# KiCad board untitled.kicad_pcb (continued)
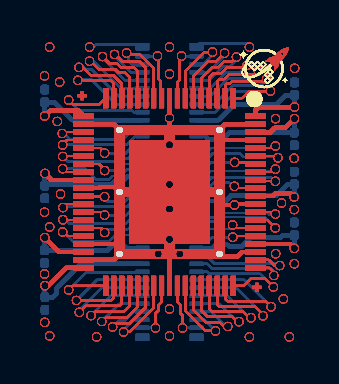
[diagram p0: board, top side]
## Routing (per net, layer and track width the routed paths; a pad name or vN(x,y) marks a point on that pad's centre or on a via; arc(x,y) is an arc through that point) (continued)
/PIN 31: length 256.7
  Top w0.1: 2.51,-0.42 v1(2.33,-0.6) ; 2.51,-0.42 3.96,-0.42 ; 2.51,-0.42 3.96,-0.42 ; 2.51,-0.42 3.96,-0.42 ; 2.51,-0.42 3.96,-0.42 ; 2.51,-0.42 v1(2.33,-0.6) ; 2.51,-0.42 v1(2.33,-0.6) ; 2.51,-0.42 3.96,-0.42 ; 2.51,-0.42 v1(2.33,-0.6) ; 2.51,-0.42 3.96,-0.42 ; 2.51,-0.42 v1(2.33,-0.6) ; 2.51,-0.42 v1(2.33,-0.6) ; 2.51,-0.42 3.96,-0.42 ; 2.51,-0.42 v1(2.33,-0.6) ; 2.51,-0.42 v1(2.33,-0.6) ; 2.51,-0.42 3.96,-0.42 ; 2.51,-0.42 3.96,-0.42 ; 2.51,-0.42 3.96,-0.42 ; 2.51,-0.42 3.96,-0.42 ; 2.51,-0.42 v1(2.33,-0.6) ; 2.51,-0.42 v1(2.33,-0.6) ; 2.51,-0.42 v1(2.33,-0.6) ; 2.51,-0.42 v1(2.33,-0.6) ; 2.51,-0.42 3.96,-0.42 ; 2.51,-0.42 3.96,-0.42 ; 2.51,-0.42 v1(2.33,-0.6) ; 2.51,-0.42 3.96,-0.42 ; 2.51,-0.42 3.96,-0.42 ; 2.51,-0.42 v1(2.33,-0.6) ; 2.51,-0.42 3.96,-0.42 ; 2.51,-0.42 v1(2.33,-0.6) ; 2.51,-0.42 v1(2.33,-0.6) ; 2.51,-0.42 3.96,-0.42 ; 2.51,-0.42 3.96,-0.42 ; 2.51,-0.42 3.96,-0.42 ; 2.51,-0.42 3.96,-0.42 ; 2.51,-0.42 v1(2.33,-0.6) ; 2.51,-0.42 v1(2.33,-0.6) ; 2.51,-0.42 3.96,-0.42 ; 2.51,-0.42 3.96,-0.42 ; 2.51,-0.42 3.96,-0.42 ; 2.51,-0.42 3.96,-0.42 ; 2.51,-0.42 v1(2.33,-0.6) ; 2.51,-0.42 3.96,-0.42 ; 2.51,-0.42 v1(2.33,-0.6) ; 2.51,-0.42 v1(2.33,-0.6) ; 2.51,-0.42 3.96,-0.42 ; 2.51,-0.42 3.96,-0.42 ; 2.51,-0.42 v1(2.33,-0.6) ; 2.51,-0.42 v1(2.33,-0.6) ; 2.51,-0.42 3.96,-0.42 ; 2.51,-0.42 v1(2.33,-0.6) ; 2.51,-0.42 3.96,-0.42 ; 2.51,-0.42 v1(2.33,-0.6) ; 2.51,-0.42 v1(2.33,-0.6) ; 2.51,-0.42 3.96,-0.42 ; 2.51,-0.42 v1(2.33,-0.6) ; 2.51,-0.42 3.96,-0.42 ; 2.51,-0.42 v1(2.33,-0.6) ; 2.51,-0.42 v1(2.33,-0.6) ; 2.51,-0.42 v1(2.33,-0.6) ; 2.51,-0.42 v1(2.33,-0.6) ; 2.51,-0.42 v1(2.33,-0.6) ; 2.51,-0.42 v1(2.33,-0.6) ; 2.51,-0.42 v1(2.33,-0.6) ; 2.51,-0.42 v1(2.33,-0.6) ; 2.51,-0.42 v1(2.33,-0.6) ; 2.51,-0.42 v1(2.33,-0.6) ; 2.51,-0.42 3.96,-0.42 ; 2.51,-0.42 v1(2.33,-0.6) ; 2.51,-0.42 3.96,-0.42 ; 2.51,-0.42 v1(2.33,-0.6) ; 2.51,-0.42 v1(2.33,-0.6) ; 2.51,-0.42 3.96,-0.42 ; 2.51,-0.42 3.96,-0.42 ; 2.51,-0.42 v1(2.33,-0.6) ; 2.51,-0.42 3.96,-0.42 ; 2.51,-0.42 3.96,-0.42 ; 2.51,-0.42 3.96,-0.42 ; 2.51,-0.42 3.96,-0.42 ; 2.51,-0.42 3.96,-0.42 ; 2.51,-0.42 v1(2.33,-0.6) ; 2.51,-0.42 3.96,-0.42 ; 2.51,-0.42 3.96,-0.42 ; 4.26,-0.12 3.96,-0.42 ; 4.26,-0.12 3.96,-0.42 ; 4.26,-0.12 3.96,-0.42 ; 4.26,-0.12 3.96,-0.42 ; 4.26,-0.12 3.96,-0.42 ; 4.26,-0.12 J158.41 ; 4.26,-0.12 3.96,-0.42 ; 4.26,-0.12 J158.41 ; 4.26,-0.12 J158.41 ; 4.26,-0.12 J158.41 ; 4.26,-0.12 3.96,-0.42 ; 4.26,-0.12 J158.41 ; 4.26,-0.12 J158.41 ; 4.26,-0.12 J158.41 ; 4.26,-0.12 3.96,-0.42 ; 4.26,-0.12 J158.41 ; 4.26,-0.12 3.96,-0.42 ; 4.26,-0.12 3.96,-0.42 ; 4.26,-0.12 J158.41 ; 4.26,-0.12 J158.41 ; 4.26,-0.12 3.96,-0.42 ; 4.26,-0.12 J158.41 ; 4.26,-0.12 3.96,-0.42 ; 4.26,-0.12 3.96,-0.42 ; 4.26,-0.12 3.96,-0.42 ; 4.26,-0.12 J158.41 ; 4.26,-0.12 J158.41 ; 4.26,-0.12 3.96,-0.42 ; 4.26,-0.12 3.96,-0.42 ; 4.26,-0.12 3.96,-0.42 ; 4.26,-0.12 J158.41 ; 4.26,-0.12 3.96,-0.42 ; 4.26,-0.12 J158.41 ; 4.26,-0.12 3.96,-0.42 ; 4.26,-0.12 J158.41 ; 4.26,-0.12 J158.41 ; 4.26,-0.12 J158.41 ; 4.26,-0.12 J158.41 ; 4.26,-0.12 3.96,-0.42 ; 4.26,-0.12 J158.41 ; 4.26,-0.12 J158.41 ; 4.26,-0.12 3.96,-0.42 ; 4.26,-0.12 J158.41 ; 4.26,-0.12 J158.41 ; 4.26,-0.12 3.96,-0.42 ; 4.26,-0.12 J158.41 ; 4.26,-0.12 3.96,-0.42 ; 4.26,-0.12 3.96,-0.42 ; 4.26,-0.12 J158.41 ; 4.26,-0.12 J158.41 ; 4.26,-0.12 J158.41 ; 4.26,-0.12 J158.41 ; 4.26,-0.12 3.96,-0.42 ; 4.26,-0.12 3.96,-0.42 ; 4.26,-0.12 J158.41 ; 4.26,-0.12 J158.41 ; 4.26,-0.12 J158.41 ; 4.26,-0.12 3.96,-0.42 ; 4.26,-0.12 J158.41 ; 4.26,-0.12 J158.41 ; 4.26,-0.12 3.96,-0.42 ; 4.26,-0.12 3.96,-0.42 ; 4.26,-0.12 3.96,-0.42 ; 4.26,-0.12 J158.41 ; 4.26,-0.12 J158.41 ; 4.26,-0.12 3.96,-0.42 ; 4.26,-0.12 3.96,-0.42 ; 4.26,-0.12 J158.41 ; 4.26,-0.12 J158.41 ; 4.26,-0.12 3.96,-0.42 ; 4.26,-0.12 3.96,-0.42 ; 4.26,-0.12 3.96,-0.42 ; 4.26,-0.12 3.96,-0.42 ; 4.26,-0.12 3.96,-0.42 ; 4.26,-0.12 3.96,-0.42 ; 4.26,-0.12 3.96,-0.42 ; 4.26,-0.12 J158.41 ; 4.26,-0.12 3.96,-0.42 ; 4.26,-0.12 3.96,-0.42 ; 4.26,-0.12 3.96,-0.42 ; 4.26,-0.12 J158.41 ; 4.26,-0.12 J158.41 ; 4.26,-0.12 J158.41 ; 4.26,-0.12 J158.41
  Bottom w0.1: 3.31,0.38 J173.40 ; 3.31,0.38 v1(2.33,-0.6) ; 3.31,0.38 v1(2.33,-0.6) ; 3.31,0.38 J173.40 ; 3.31,0.38 J173.40 ; 3.31,0.38 J173.40 ; 3.31,0.38 J173.40 ; 3.31,0.38 v1(2.33,-0.6) ; 3.31,0.38 J173.40 ; 3.31,0.38 v1(2.33,-0.6) ; 3.31,0.38 v1(2.33,-0.6) ; 3.31,0.38 J173.40 ; 3.31,0.38 v1(2.33,-0.6) ; 3.31,0.38 v1(2.33,-0.6) ; 3.31,0.38 J173.40 ; 3.31,0.38 v1(2.33,-0.6) ; 3.31,0.38 J173.40 ; 3.31,0.38 v1(2.33,-0.6) ; 3.31,0.38 J173.40 ; 3.31,0.38 v1(2.33,-0.6) ; 3.31,0.38 v1(2.33,-0.6) ; 3.31,0.38 v1(2.33,-0.6) ; 3.31,0.38 J173.40 ; 3.31,0.38 J173.40 ; 3.31,0.38 v1(2.33,-0.6) ; 3.31,0.38 J173.40 ; 3.31,0.38 J173.40 ; 3.31,0.38 v1(2.33,-0.6) ; 3.31,0.38 J173.40 ; 3.31,0.38 J173.40 ; 3.31,0.38 J173.40 ; 3.31,0.38 v1(2.33,-0.6) ; 3.31,0.38 J173.40 ; 3.31,0.38 v1(2.33,-0.6) ; 3.31,0.38 J173.40 ; 3.31,0.38 J173.40 ; 3.31,0.38 J173.40 ; 3.31,0.38 J173.40 ; 3.31,0.38 v1(2.33,-0.6) ; 3.31,0.38 v1(2.33,-0.6) ; 3.31,0.38 J173.40 ; 3.31,0.38 v1(2.33,-0.6) ; 3.31,0.38 v1(2.33,-0.6) ; 3.31,0.38 v1(2.33,-0.6) ; 3.31,0.38 v1(2.33,-0.6) ; 3.31,0.38 J173.40 ; 3.31,0.38 v1(2.33,-0.6) ; 3.31,0.38 J173.40 ; 3.31,0.38 J173.40 ; 3.31,0.38 J173.40 ; 3.31,0.38 J173.40 ; 3.31,0.38 v1(2.33,-0.6) ; 3.31,0.38 v1(2.33,-0.6) ; 3.31,0.38 v1(2.33,-0.6) ; 3.31,0.38 J173.40 ; 3.31,0.38 v1(2.33,-0.6) ; 3.31,0.38 v1(2.33,-0.6) ; 3.31,0.38 v1(2.33,-0.6) ; 3.31,0.38 J173.40 ; 3.31,0.38 v1(2.33,-0.6) ; 3.31,0.38 J173.40 ; 3.31,0.38 v1(2.33,-0.6) ; 3.31,0.38 v1(2.33,-0.6) ; 3.31,0.38 J173.40 ; 3.31,0.38 v1(2.33,-0.6) ; 3.31,0.38 v1(2.33,-0.6) ; 3.31,0.38 J173.40 ; 3.31,0.38 J173.40 ; 3.31,0.38 v1(2.33,-0.6) ; 3.31,0.38 v1(2.33,-0.6) ; 3.31,0.38 J173.40 ; 3.31,0.38 v1(2.33,-0.6) ; 3.31,0.38 J173.40 ; 3.31,0.38 J173.40 ; 3.31,0.38 v1(2.33,-0.6) ; 3.31,0.38 v1(2.33,-0.6) ; 3.31,0.38 J173.40 ; 3.31,0.38 J173.40 ; 3.31,0.38 v1(2.33,-0.6) ; 3.31,0.38 J173.40 ; 3.31,0.38 J173.40 ; 3.31,0.38 v1(2.33,-0.6) ; 3.31,0.38 J173.40 ; 3.31,0.38 v1(2.33,-0.6)
/PIN 32: length 233.1
  Top w0.1: 4.11,-0.72 3.04,-0.72 ; 4.11,-0.72 4.66,-0.17 ; 4.11,-0.72 3.04,-0.72 ; 4.11,-0.72 3.04,-0.72 ; 4.11,-0.72 3.04,-0.72 ; 4.11,-0.72 4.66,-0.17 ; 4.11,-0.72 4.66,-0.17 ; 4.11,-0.72 3.04,-0.72 ; 4.11,-0.72 3.04,-0.72 ; 4.11,-0.72 4.66,-0.17 ; 4.11,-0.72 4.66,-0.17 ; 4.11,-0.72 3.04,-0.72 ; 4.11,-0.72 3.04,-0.72 ; 4.11,-0.72 3.04,-0.72 ; 4.11,-0.72 4.66,-0.17 ; 4.11,-0.72 4.66,-0.17 ; 4.11,-0.72 4.66,-0.17 ; 4.11,-0.72 4.66,-0.17 ; 4.11,-0.72 3.04,-0.72 ; 4.11,-0.72 4.66,-0.17 ; 4.11,-0.72 4.66,-0.17 ; 4.11,-0.72 3.04,-0.72 ; 4.11,-0.72 3.04,-0.72 ; 4.11,-0.72 4.66,-0.17 ; 4.11,-0.72 4.66,-0.17 ; 4.11,-0.72 3.04,-0.72 ; 4.11,-0.72 3.04,-0.72 ; 4.11,-0.72 3.04,-0.72 ; 4.11,-0.72 3.04,-0.72 ; 4.11,-0.72 4.66,-0.17 ; 4.11,-0.72 4.66,-0.17 ; 4.11,-0.72 3.04,-0.72 ; 4.11,-0.72 4.66,-0.17 ; 4.11,-0.72 4.66,-0.17 ; 4.11,-0.72 4.66,-0.17 ; 4.11,-0.72 4.66,-0.17 ; 4.11,-0.72 3.04,-0.72 ; 4.11,-0.72 3.04,-0.72 ; 4.11,-0.72 4.66,-0.17 ; 4.11,-0.72 3.04,-0.72 ; 4.11,-0.72 4.66,-0.17 ; 4.11,-0.72 4.66,-0.17 ; 4.11,-0.72 4.66,-0.17 ; 4.11,-0.72 3.04,-0.72 ; 4.11,-0.72 4.66,-0.17 ; 4.11,-0.72 4.66,-0.17 ; 4.11,-0.72 3.04,-0.72 ; 4.11,-0.72 3.04,-0.72 ; 4.11,-0.72 4.66,-0.17 ; 4.11,-0.72 4.66,-0.17 ; 4.11,-0.72 3.04,-0.72 ; 4.11,-0.72 3.04,-0.72 ; 4.11,-0.72 3.04,-0.72 ; 4.11,-0.72 4.66,-0.17 ; 4.11,-0.72 4.66,-0.17 ; 4.11,-0.72 3.04,-0.72 ; 4.11,-0.72 3.04,-0.72 ; 4.11,-0.72 3.04,-0.72 ; 4.11,-0.72 4.66,-0.17 ; 4.11,-0.72 4.66,-0.17 ; 4.11,-0.72 3.04,-0.72 ; 4.11,-0.72 4.66,-0.17 ; 4.11,-0.72 3.04,-0.72 ; 4.11,-0.72 4.66,-0.17 ; 4.11,-0.72 3.04,-0.72 ; 4.11,-0.72 4.66,-0.17 ; 4.11,-0.72 3.04,-0.72 ; 4.11,-0.72 3.04,-0.72 ; 4.11,-0.72 4.66,-0.17 ; 4.11,-0.72 3.04,-0.72 ; 4.11,-0.72 3.04,-0.72 ; 4.11,-0.72 3.04,-0.72 ; 4.11,-0.72 4.66,-0.17 ; 4.11,-0.72 4.66,-0.17 ; 4.11,-0.72 4.66,-0.17 ; 4.11,-0.72 3.04,-0.72 ; 4.11,-0.72 4.66,-0.17 ; 4.11,-0.72 3.04,-0.72 ; 4.11,-0.72 3.04,-0.72 ; 4.11,-0.72 4.66,-0.17 ; 4.11,-0.72 4.66,-0.17 ; 4.11,-0.72 4.66,-0.17 ; 4.11,-0.72 3.04,-0.72 ; 4.11,-0.72 3.04,-0.72 ; 3.04,-0.72 v1(2.86,-0.9) ; 3.04,-0.72 v1(2.86,-0.9) ; 3.04,-0.72 v1(2.86,-0.9) ; 3.04,-0.72 v1(2.86,-0.9) ; 3.04,-0.72 v1(2.86,-0.9) ; 3.04,-0.72 v1(2.86,-0.9) ; 3.04,-0.72 v1(2.86,-0.9) ; 3.04,-0.72 v1(2.86,-0.9) ; 3.04,-0.72 v1(2.86,-0.9) ; 3.04,-0.72 v1(2.86,-0.9) ; 3.04,-0.72 v1(2.86,-0.9) ; 3.04,-0.72 v1(2.86,-0.9) ; 3.04,-0.72 v1(2.86,-0.9) ; 3.04,-0.72 v1(2.86,-0.9) ; 3.04,-0.72 v1(2.86,-0.9) ; 3.04,-0.72 v1(2.86,-0.9) ; 3.04,-0.72 v1(2.86,-0.9) ; 3.04,-0.72 v1(2.86,-0.9) ; 3.04,-0.72 v1(2.86,-0.9) ; 3.04,-0.72 v1(2.86,-0.9) ; 3.04,-0.72 v1(2.86,-0.9) ; 3.04,-0.72 v1(2.86,-0.9) ; 3.04,-0.72 v1(2.86,-0.9) ; 3.04,-0.72 v1(2.86,-0.9) ; 3.04,-0.72 v1(2.86,-0.9) ; 3.04,-0.72 v1(2.86,-0.9) ; 3.04,-0.72 v1(2.86,-0.9) ; 3.04,-0.72 v1(2.86,-0.9) ; 3.04,-0.72 v1(2.86,-0.9) ; 3.04,-0.72 v1(2.86,-0.9) ; 3.04,-0.72 v1(2.86,-0.9) ; 3.04,-0.72 v1(2.86,-0.9) ; 3.04,-0.72 v1(2.86,-0.9) ; 3.04,-0.72 v1(2.86,-0.9) ; 3.04,-0.72 v1(2.86,-0.9) ; 3.04,-0.72 v1(2.86,-0.9) ; 3.04,-0.72 v1(2.86,-0.9) ; 3.04,-0.72 v1(2.86,-0.9) ; 3.04,-0.72 v1(2.86,-0.9) ; 3.04,-0.72 v1(2.86,-0.9) ; 3.04,-0.72 v1(2.86,-0.9) ; 3.04,-0.72 v1(2.86,-0.9) ; 4.66,-0.17 J158.42 ; 4.66,-0.17 J158.42 ; 4.66,-0.17 J158.42 ; 4.66,-0.17 J158.42 ; 4.66,-0.17 J158.42 ; 4.66,-0.17 J158.42 ; 4.66,-0.17 J158.42 ; 4.66,-0.17 J158.42 ; 4.66,-0.17 J158.42 ; 4.66,-0.17 J158.42 ; 4.66,-0.17 J158.42 ; 4.66,-0.17 J158.42 ; 4.66,-0.17 J158.42 ; 4.66,-0.17 J158.42 ; 4.66,-0.17 J158.42 ; 4.66,-0.17 J158.42 ; 4.66,-0.17 J158.42 ; 4.66,-0.17 J158.42 ; 4.66,-0.17 J158.42 ; 4.66,-0.17 J158.42 ; 4.66,-0.17 J158.42 ; 4.66,-0.17 J158.42 ; 4.66,-0.17 J158.42 ; 4.66,-0.17 J158.42 ; 4.66,-0.17 J158.42 ; 4.66,-0.17 J158.42 ; 4.66,-0.17 J158.42 ; 4.66,-0.17 J158.42 ; 4.66,-0.17 J158.42 ; 4.66,-0.17 J158.42 ; 4.66,-0.17 J158.42 ; 4.66,-0.17 J158.42 ; 4.66,-0.17 J158.42 ; 4.66,-0.17 J158.42 ; 4.66,-0.17 J158.42 ; 4.66,-0.17 J158.42 ; 4.66,-0.17 J158.42 ; 4.66,-0.17 J158.42 ; 4.66,-0.17 J158.42 ; 4.66,-0.17 J158.42 ; 4.66,-0.17 J158.42 ; 4.66,-0.17 J158.42
  Bottom w0.1: v1(2.86,-0.9) 3.74,-0.02 ; v1(2.86,-0.9) 3.74,-0.02 ; v1(2.86,-0.9) 3.74,-0.02 ; v1(2.86,-0.9) 3.74,-0.02 ; v1(2.86,-0.9) 3.74,-0.02 ; v1(2.86,-0.9) 3.74,-0.02 ; v1(2.86,-0.9) 3.74,-0.02 ; v1(2.86,-0.9) 3.74,-0.02 ; v1(2.86,-0.9) 3.74,-0.02 ; v1(2.86,-0.9) 3.74,-0.02 ; v1(2.86,-0.9) 3.74,-0.02 ; v1(2.86,-0.9) 3.74,-0.02 ; v1(2.86,-0.9) 3.74,-0.02 ; v1(2.86,-0.9) 3.74,-0.02 ; v1(2.86,-0.9) 3.74,-0.02 ; v1(2.86,-0.9) 3.74,-0.02 ; v1(2.86,-0.9) 3.74,-0.02 ; v1(2.86,-0.9) 3.74,-0.02 ; v1(2.86,-0.9) 3.74,-0.02 ; v1(2.86,-0.9) 3.74,-0.02 ; v1(2.86,-0.9) 3.74,-0.02 ; v1(2.86,-0.9) 3.74,-0.02 ; v1(2.86,-0.9) 3.74,-0.02 ; v1(2.86,-0.9) 3.74,-0.02 ; v1(2.86,-0.9) 3.74,-0.02 ; v1(2.86,-0.9) 3.74,-0.02 ; v1(2.86,-0.9) 3.74,-0.02 ; v1(2.86,-0.9) 3.74,-0.02 ; v1(2.86,-0.9) 3.74,-0.02 ; v1(2.86,-0.9) 3.74,-0.02 ; v1(2.86,-0.9) 3.74,-0.02 ; v1(2.86,-0.9) 3.74,-0.02 ; v1(2.86,-0.9) 3.74,-0.02 ; v1(2.86,-0.9) 3.74,-0.02 ; v1(2.86,-0.9) 3.74,-0.02 ; v1(2.86,-0.9) 3.74,-0.02 ; v1(2.86,-0.9) 3.74,-0.02 ; v1(2.86,-0.9) 3.74,-0.02 ; v1(2.86,-0.9) 3.74,-0.02 ; v1(2.86,-0.9) 3.74,-0.02 ; v1(2.86,-0.9) 3.74,-0.02 ; v1(2.86,-0.9) 3.74,-0.02 ; 3.74,-0.02 J173.39 ; 3.74,-0.02 J173.39 ; 3.74,-0.02 J173.39 ; 3.74,-0.02 J173.39 ; 3.74,-0.02 J173.39 ; 3.74,-0.02 J173.39 ; 3.74,-0.02 J173.39 ; 3.74,-0.02 J173.39 ; 3.74,-0.02 J173.39 ; 3.74,-0.02 J173.39 ; 3.74,-0.02 J173.39 ; 3.74,-0.02 J173.39 ; 3.74,-0.02 J173.39 ; 3.74,-0.02 J173.39 ; 3.74,-0.02 J173.39 ; 3.74,-0.02 J173.39 ; 3.74,-0.02 J173.39 ; 3.74,-0.02 J173.39 ; 3.74,-0.02 J173.39 ; 3.74,-0.02 J173.39 ; 3.74,-0.02 J173.39 ; 3.74,-0.02 J173.39 ; 3.74,-0.02 J173.39 ; 3.74,-0.02 J173.39 ; 3.74,-0.02 J173.39 ; 3.74,-0.02 J173.39 ; 3.74,-0.02 J173.39 ; 3.74,-0.02 J173.39 ; 3.74,-0.02 J173.39 ; 3.74,-0.02 J173.39 ; 3.74,-0.02 J173.39 ; 3.74,-0.02 J173.39 ; 3.74,-0.02 J173.39 ; 3.74,-0.02 J173.39 ; 3.74,-0.02 J173.39 ; 3.74,-0.02 J173.39 ; 3.74,-0.02 J173.39 ; 3.74,-0.02 J173.39 ; 3.74,-0.02 J173.39 ; 3.74,-0.02 J173.39 ; 3.74,-0.02 J173.39 ; 3.74,-0.02 J173.39
/PIN 33: length 207.3
  Top w0.1: J158.43 5.06,-0.2 ; J158.43 5.06,-0.2 ; J158.43 5.06,-0.2 ; J158.43 5.06,-0.2 ; J158.43 5.06,-0.2 ; J158.43 5.06,-0.2 ; J158.43 5.06,-0.2 ; J158.43 5.06,-0.2 ; J158.43 5.06,-0.2 ; J158.43 5.06,-0.2 ; J158.43 5.06,-0.2 ; J158.43 5.06,-0.2 ; J158.43 5.06,-0.2 ; J158.43 5.06,-0.2 ; J158.43 5.06,-0.2 ; J158.43 5.06,-0.2 ; J158.43 5.06,-0.2 ; J158.43 5.06,-0.2 ; J158.43 5.06,-0.2 ; J158.43 5.06,-0.2 ; J158.43 5.06,-0.2 ; J158.43 5.06,-0.2 ; J158.43 5.06,-0.2 ; J158.43 5.06,-0.2 ; J158.43 5.06,-0.2 ; J158.43 5.06,-0.2 ; J158.43 5.06,-0.2 ; J158.43 5.06,-0.2 ; J158.43 5.06,-0.2 ; J158.43 5.06,-0.2 ; J158.43 5.06,-0.2 ; J158.43 5.06,-0.2 ; J158.43 5.06,-0.2 ; J158.43 5.06,-0.2 ; J158.43 5.06,-0.2 ; J158.43 5.06,-0.2 ; J158.43 5.06,-0.2 ; J158.43 5.06,-0.2 ; J158.43 5.06,-0.2 ; J158.43 5.06,-0.2 ; J158.43 5.06,-0.2 ; J158.43 5.06,-0.2 ; 5.06,-0.2 4.27,-0.98 ; 5.06,-0.2 4.27,-0.98 ; 5.06,-0.2 4.27,-0.98 ; 5.06,-0.2 4.27,-0.98 ; 5.06,-0.2 4.27,-0.98 ; 5.06,-0.2 4.27,-0.98 ; 5.06,-0.2 4.27,-0.98 ; 5.06,-0.2 4.27,-0.98 ; 5.06,-0.2 4.27,-0.98 ; 5.06,-0.2 4.27,-0.98 ; 5.06,-0.2 4.27,-0.98 ; 5.06,-0.2 4.27,-0.98 ; 5.06,-0.2 4.27,-0.98 ; 5.06,-0.2 4.27,-0.98 ; 5.06,-0.2 4.27,-0.98 ; 5.06,-0.2 4.27,-0.98 ; 5.06,-0.2 4.27,-0.98 ; 5.06,-0.2 4.27,-0.98 ; 5.06,-0.2 4.27,-0.98 ; 5.06,-0.2 4.27,-0.98 ; 5.06,-0.2 4.27,-0.98 ; 5.06,-0.2 4.27,-0.98 ; 5.06,-0.2 4.27,-0.98 ; 5.06,-0.2 4.27,-0.98 ; 5.06,-0.2 4.27,-0.98 ; 5.06,-0.2 4.27,-0.98 ; 5.06,-0.2 4.27,-0.98 ; 5.06,-0.2 4.27,-0.98 ; 5.06,-0.2 4.27,-0.98 ; 5.06,-0.2 4.27,-0.98 ; 5.06,-0.2 4.27,-0.98 ; 5.06,-0.2 4.27,-0.98 ; 5.06,-0.2 4.27,-0.98 ; 5.06,-0.2 4.27,-0.98 ; 5.06,-0.2 4.27,-0.98 ; 5.06,-0.2 4.27,-0.98 ; 5.06,-0.2 4.27,-0.98 ; 5.06,-0.2 4.27,-0.98 ; 5.06,-0.2 4.27,-0.98 ; 5.06,-0.2 4.27,-0.98 ; 5.06,-0.2 4.27,-0.98 ; 5.06,-0.2 4.27,-0.98 ; 4.27,-0.98 3.6,-0.98 ; 4.27,-0.98 3.6,-0.98 ; 4.27,-0.98 3.6,-0.98 ; 4.27,-0.98 3.6,-0.98 ; 4.27,-0.98 3.6,-0.98 ; 4.27,-0.98 3.6,-0.98 ; 4.27,-0.98 3.6,-0.98 ; 4.27,-0.98 3.6,-0.98 ; 4.27,-0.98 3.6,-0.98 ; 4.27,-0.98 3.6,-0.98 ; 4.27,-0.98 3.6,-0.98 ; 4.27,-0.98 3.6,-0.98 ; 4.27,-0.98 3.6,-0.98 ; 4.27,-0.98 3.6,-0.98 ; 4.27,-0.98 3.6,-0.98 ; 4.27,-0.98 3.6,-0.98 ; 4.27,-0.98 3.6,-0.98 ; 4.27,-0.98 3.6,-0.98 ; 4.27,-0.98 3.6,-0.98 ; 4.27,-0.98 3.6,-0.98 ; 4.27,-0.98 3.6,-0.98 ; 4.27,-0.98 3.6,-0.98 ; 4.27,-0.98 3.6,-0.98 ; 4.27,-0.98 3.6,-0.98 ; 4.27,-0.98 3.6,-0.98 ; 4.27,-0.98 3.6,-0.98 ; 4.27,-0.98 3.6,-0.98 ; 4.27,-0.98 3.6,-0.98 ; 4.27,-0.98 3.6,-0.98 ; 4.27,-0.98 3.6,-0.98 ; 4.27,-0.98 3.6,-0.98 ; 4.27,-0.98 3.6,-0.98 ; 4.27,-0.98 3.6,-0.98 ; 4.27,-0.98 3.6,-0.98 ; 4.27,-0.98 3.6,-0.98 ; 4.27,-0.98 3.6,-0.98 ; 4.27,-0.98 3.6,-0.98 ; 4.27,-0.98 3.6,-0.98 ; 4.27,-0.98 3.6,-0.98 ; 4.27,-0.98 3.6,-0.98 ; 4.27,-0.98 3.6,-0.98 ; 4.27,-0.98 3.6,-0.98 ; 3.6,-0.98 v1(3.41,-1.17) ; 3.6,-0.98 v1(3.41,-1.17) ; 3.6,-0.98 v1(3.41,-1.17) ; 3.6,-0.98 v1(3.41,-1.17) ; 3.6,-0.98 v1(3.41,-1.17) ; 3.6,-0.98 v1(3.41,-1.17) ; 3.6,-0.98 v1(3.41,-1.17) ; 3.6,-0.98 v1(3.41,-1.17) ; 3.6,-0.98 v1(3.41,-1.17) ; 3.6,-0.98 v1(3.41,-1.17) ; 3.6,-0.98 v1(3.41,-1.17) ; 3.6,-0.98 v1(3.41,-1.17) ; 3.6,-0.98 v1(3.41,-1.17) ; 3.6,-0.98 v1(3.41,-1.17) ; 3.6,-0.98 v1(3.41,-1.17) ; 3.6,-0.98 v1(3.41,-1.17) ; 3.6,-0.98 v1(3.41,-1.17) ; 3.6,-0.98 v1(3.41,-1.17) ; 3.6,-0.98 v1(3.41,-1.17) ; 3.6,-0.98 v1(3.41,-1.17) ; 3.6,-0.98 v1(3.41,-1.17) ; 3.6,-0.98 v1(3.41,-1.17) ; 3.6,-0.98 v1(3.41,-1.17) ; 3.6,-0.98 v1(3.41,-1.17) ; 3.6,-0.98 v1(3.41,-1.17) ; 3.6,-0.98 v1(3.41,-1.17) ; 3.6,-0.98 v1(3.41,-1.17) ; 3.6,-0.98 v1(3.41,-1.17) ; 3.6,-0.98 v1(3.41,-1.17) ; 3.6,-0.98 v1(3.41,-1.17) ; 3.6,-0.98 v1(3.41,-1.17) ; 3.6,-0.98 v1(3.41,-1.17) ; 3.6,-0.98 v1(3.41,-1.17) ; 3.6,-0.98 v1(3.41,-1.17) ; 3.6,-0.98 v1(3.41,-1.17) ; 3.6,-0.98 v1(3.41,-1.17) ; 3.6,-0.98 v1(3.41,-1.17) ; 3.6,-0.98 v1(3.41,-1.17) ; 3.6,-0.98 v1(3.41,-1.17) ; 3.6,-0.98 v1(3.41,-1.17) ; 3.6,-0.98 v1(3.41,-1.17) ; 3.6,-0.98 v1(3.41,-1.17)
  Bottom w0.1: v1(3.41,-1.17) 3.71,-0.87 ; v1(3.41,-1.17) 3.71,-0.87 ; v1(3.41,-1.17) 3.71,-0.87 ; v1(3.41,-1.17) 3.71,-0.87 ; v1(3.41,-1.17) 3.71,-0.87 ; v1(3.41,-1.17) 3.71,-0.87 ; v1(3.41,-1.17) 3.71,-0.87 ; v1(3.41,-1.17) 3.71,-0.87 ; v1(3.41,-1.17) 3.71,-0.87 ; v1(3.41,-1.17) 3.71,-0.87 ; v1(3.41,-1.17) 3.71,-0.87 ; v1(3.41,-1.17) 3.71,-0.87 ; v1(3.41,-1.17) 3.71,-0.87 ; v1(3.41,-1.17) 3.71,-0.87 ; v1(3.41,-1.17) 3.71,-0.87 ; v1(3.41,-1.17) 3.71,-0.87 ; v1(3.41,-1.17) 3.71,-0.87 ; v1(3.41,-1.17) 3.71,-0.87 ; v1(3.41,-1.17) 3.71,-0.87 ; v1(3.41,-1.17) 3.71,-0.87 ; v1(3.41,-1.17) 3.71,-0.87 ; v1(3.41,-1.17) 3.71,-0.87 ; v1(3.41,-1.17) 3.71,-0.87 ; v1(3.41,-1.17) 3.71,-0.87 ; v1(3.41,-1.17) 3.71,-0.87 ; v1(3.41,-1.17) 3.71,-0.87 ; v1(3.41,-1.17) 3.71,-0.87 ; v1(3.41,-1.17) 3.71,-0.87 ; v1(3.41,-1.17) 3.71,-0.87 ; v1(3.41,-1.17) 3.71,-0.87 ; v1(3.41,-1.17) 3.71,-0.87 ; v1(3.41,-1.17) 3.71,-0.87 ; v1(3.41,-1.17) 3.71,-0.87 ; v1(3.41,-1.17) 3.71,-0.87 ; v1(3.41,-1.17) 3.71,-0.87 ; v1(3.41,-1.17) 3.71,-0.87 ; v1(3.41,-1.17) 3.71,-0.87 ; v1(3.41,-1.17) 3.71,-0.87 ; v1(3.41,-1.17) 3.71,-0.87 ; v1(3.41,-1.17) 3.71,-0.87 ; v1(3.41,-1.17) 3.71,-0.87 ; v1(3.41,-1.17) 3.71,-0.87 ; 3.71,-0.87 4.01,-0.87 ; 3.71,-0.87 4.01,-0.87 ; 3.71,-0.87 4.01,-0.87 ; 3.71,-0.87 4.01,-0.87 ; 3.71,-0.87 4.01,-0.87 ; 3.71,-0.87 4.01,-0.87 ; 3.71,-0.87 4.01,-0.87 ; 3.71,-0.87 4.01,-0.87 ; 3.71,-0.87 4.01,-0.87 ; 3.71,-0.87 4.01,-0.87 ; 3.71,-0.87 4.01,-0.87 ; 3.71,-0.87 4.01,-0.87 ; 3.71,-0.87 4.01,-0.87 ; 3.71,-0.87 4.01,-0.87 ; 3.71,-0.87 4.01,-0.87 ; 3.71,-0.87 4.01,-0.87 ; 3.71,-0.87 4.01,-0.87 ; 3.71,-0.87 4.01,-0.87 ; 3.71,-0.87 4.01,-0.87 ; 3.71,-0.87 4.01,-0.87 ; 3.71,-0.87 4.01,-0.87 ; 3.71,-0.87 4.01,-0.87 ; 3.71,-0.87 4.01,-0.87 ; 3.71,-0.87 4.01,-0.87 ; 3.71,-0.87 4.01,-0.87 ; 3.71,-0.87 4.01,-0.87 ; 3.71,-0.87 4.01,-0.87 ; 3.71,-0.87 4.01,-0.87 ; 3.71,-0.87 4.01,-0.87 ; 3.71,-0.87 4.01,-0.87 ; 3.71,-0.87 4.01,-0.87 ; 3.71,-0.87 4.01,-0.87 ; 3.71,-0.87 4.01,-0.87 ; 3.71,-0.87 4.01,-0.87 ; 3.71,-0.87 4.01,-0.87 ; 3.71,-0.87 4.01,-0.87 ; 3.71,-0.87 4.01,-0.87 ; 3.71,-0.87 4.01,-0.87 ; 3.71,-0.87 4.01,-0.87 ; 3.71,-0.87 4.01,-0.87 ; 3.71,-0.87 4.01,-0.87 ; 3.71,-0.87 4.01,-0.87 ; 4.46,-0.42 J173.38 ; 4.46,-0.42 J173.38 ; 4.46,-0.42 J173.38 ; 4.46,-0.42 J173.38 ; 4.46,-0.42 4.01,-0.87 ; 4.46,-0.42 4.01,-0.87 ; 4.46,-0.42 4.01,-0.87 ; 4.46,-0.42 4.01,-0.87 ; 4.46,-0.42 4.01,-0.87 ; 4.46,-0.42 4.01,-0.87 ; 4.46,-0.42 4.01,-0.87 ; 4.46,-0.42 J173.38 ; 4.46,-0.42 4.01,-0.87 ; 4.46,-0.42 4.01,-0.87 ; 4.46,-0.42 J173.38 ; 4.46,-0.42 J173.38 ; 4.46,-0.42 4.01,-0.87 ; 4.46,-0.42 J173.38 ; 4.46,-0.42 4.01,-0.87 ; 4.46,-0.42 4.01,-0.87 ; 4.46,-0.42 4.01,-0.87 ; 4.46,-0.42 J173.38 ; 4.46,-0.42 4.01,-0.87 ; 4.46,-0.42 J173.38 ; 4.46,-0.42 4.01,-0.87 ; 4.46,-0.42 J173.38 ; 4.46,-0.42 J173.38 ; 4.46,-0.42 4.01,-0.87 ; 4.46,-0.42 4.01,-0.87 ; 4.46,-0.42 J173.38 ; 4.46,-0.42 4.01,-0.87 ; 4.46,-0.42 J173.38 ; 4.46,-0.42 4.01,-0.87 ; 4.46,-0.42 J173.38 ; 4.46,-0.42 J173.38 ; 4.46,-0.42 4.01,-0.87 ; 4.46,-0.42 4.01,-0.87 ; 4.46,-0.42 J173.38 ; 4.46,-0.42 J173.38 ; 4.46,-0.42 J173.38 ; 4.46,-0.42 J173.38 ; 4.46,-0.42 J173.38 ; 4.46,-0.42 J173.38 ; 4.46,-0.42 4.01,-0.87 ; 4.46,-0.42 J173.38 ; 4.46,-0.42 4.01,-0.87 ; 4.46,-0.42 J173.38 ; 4.46,-0.42 J173.38 ; 4.46,-0.42 J173.38 ; 4.46,-0.42 4.01,-0.87 ; 4.46,-0.42 J173.38 ; 4.46,-0.42 J173.38 ; 4.46,-0.42 4.01,-0.87 ; 4.46,-0.42 J173.38 ; 4.46,-0.42 4.01,-0.87 ; 4.46,-0.42 4.01,-0.87 ; 4.46,-0.42 4.01,-0.87 ; 4.46,-0.42 4.01,-0.87 ; 4.46,-0.42 4.01,-0.87 ; 4.46,-0.42 J173.38 ; 4.46,-0.42 J173.38 ; 4.46,-0.42 4.01,-0.87 ; 4.46,-0.42 J173.38 ; 4.46,-0.42 4.01,-0.87 ; 4.46,-0.42 4.01,-0.87 ; 4.46,-0.42 J173.38 ; 4.46,-0.42 4.01,-0.87 ; 4.46,-0.42 J173.38 ; 4.46,-0.42 J173.38 ; 4.46,-0.42 J173.38 ; 4.46,-0.42 J173.38 ; 4.46,-0.42 4.01,-0.87 ; 4.46,-0.42 J173.38 ; 4.46,-0.42 4.01,-0.87 ; 4.46,-0.42 J173.38 ; 4.46,-0.42 J173.38 ; 4.46,-0.42 4.01,-0.87 ; 4.46,-0.42 J173.38 ; 4.46,-0.42 4.01,-0.87 ; 4.46,-0.42 4.01,-0.87 ; 4.46,-0.42 4.01,-0.87 ; 4.46,-0.42 4.01,-0.87 ; 4.46,-0.42 4.01,-0.87 ; 4.46,-0.42 J173.38
/PIN 34: length 182.7
  Top w0.1: 3.97,-1.42 4.26,-1.42 ; 3.97,-1.42 4.26,-1.42 ; 3.97,-1.42 v1(3.96,-1.42) ; 3.97,-1.42 v1(3.96,-1.42) ; 3.97,-1.42 v1(3.96,-1.42) ; 3.97,-1.42 v1(3.96,-1.42) ; 3.97,-1.42 4.26,-1.42 ; 3.97,-1.42 4.26,-1.42 ; 3.97,-1.42 4.26,-1.42 ; 3.97,-1.42 4.26,-1.42 ; 3.97,-1.42 v1(3.96,-1.42) ; 3.97,-1.42 v1(3.96,-1.42) ; 3.97,-1.42 v1(3.96,-1.42) ; 3.97,-1.42 v1(3.96,-1.42) ; 3.97,-1.42 v1(3.96,-1.42) ; 3.97,-1.42 v1(3.96,-1.42) ; 3.97,-1.42 v1(3.96,-1.42) ; 3.97,-1.42 4.26,-1.42 ; 3.97,-1.42 4.26,-1.42 ; 3.97,-1.42 v1(3.96,-1.42) ; 3.97,-1.42 4.26,-1.42 ; 3.97,-1.42 4.26,-1.42 ; 3.97,-1.42 v1(3.96,-1.42) ; 3.97,-1.42 v1(3.96,-1.42) ; 3.97,-1.42 4.26,-1.42 ; 3.97,-1.42 4.26,-1.42 ; 3.97,-1.42 4.26,-1.42 ; 3.97,-1.42 4.26,-1.42 ; 3.97,-1.42 v1(3.96,-1.42) ; 3.97,-1.42 v1(3.96,-1.42) ; 3.97,-1.42 4.26,-1.42 ; 3.97,-1.42 4.26,-1.42 ; 3.97,-1.42 v1(3.96,-1.42) ; 3.97,-1.42 v1(3.96,-1.42) ; 3.97,-1.42 4.26,-1.42 ; 3.97,-1.42 v1(3.96,-1.42) ; 3.97,-1.42 4.26,-1.42 ; 3.97,-1.42 4.26,-1.42 ; 3.97,-1.42 4.26,-1.42 ; 3.97,-1.42 4.26,-1.42 ; 3.97,-1.42 v1(3.96,-1.42) ; 3.97,-1.42 v1(3.96,-1.42) ; 3.97,-1.42 4.26,-1.42 ; 3.97,-1.42 4.26,-1.42 ; 3.97,-1.42 v1(3.96,-1.42) ; 3.97,-1.42 v1(3.96,-1.42) ; 3.97,-1.42 v1(3.96,-1.42) ; 3.97,-1.42 4.26,-1.42 ; 3.97,-1.42 4.26,-1.42 ; 3.97,-1.42 v1(3.96,-1.42) ; 3.97,-1.42 v1(3.96,-1.42) ; 3.97,-1.42 v1(3.96,-1.42) ; 3.97,-1.42 4.26,-1.42 ; 3.97,-1.42 4.26,-1.42 ; 3.97,-1.42 v1(3.96,-1.42) ; 3.97,-1.42 4.26,-1.42 ; 3.97,-1.42 v1(3.96,-1.42) ; 3.97,-1.42 v1(3.96,-1.42) ; 3.97,-1.42 v1(3.96,-1.42) ; 3.97,-1.42 4.26,-1.42 ; 3.97,-1.42 v1(3.96,-1.42) ; 3.97,-1.42 4.26,-1.42 ; 3.97,-1.42 4.26,-1.42 ; 3.97,-1.42 v1(3.96,-1.42) ; 3.97,-1.42 4.26,-1.42 ; 3.97,-1.42 v1(3.96,-1.42) ; 3.97,-1.42 4.26,-1.42 ; 3.97,-1.42 4.26,-1.42 ; 3.97,-1.42 4.26,-1.42 ; 3.97,-1.42 4.26,-1.42 ; 3.97,-1.42 v1(3.96,-1.42) ; 3.97,-1.42 4.26,-1.42 ; 3.97,-1.42 4.26,-1.42 ; 3.97,-1.42 4.26,-1.42 ; 3.97,-1.42 v1(3.96,-1.42) ; 3.97,-1.42 v1(3.96,-1.42) ; 3.97,-1.42 v1(3.96,-1.42) ; 3.97,-1.42 v1(3.96,-1.42) ; 3.97,-1.42 v1(3.96,-1.42) ; 3.97,-1.42 4.26,-1.42 ; 3.97,-1.42 v1(3.96,-1.42) ; 3.97,-1.42 4.26,-1.42 ; 3.97,-1.42 v1(3.96,-1.42) ; 3.97,-1.42 4.26,-1.42 ; 4.26,-1.42 5.46,-0.22 ; 4.26,-1.42 5.46,-0.22 ; 4.26,-1.42 5.46,-0.22 ; 4.26,-1.42 5.46,-0.22 ; 4.26,-1.42 5.46,-0.22 ; 4.26,-1.42 5.46,-0.22 ; 4.26,-1.42 5.46,-0.22 ; 4.26,-1.42 5.46,-0.22 ; 4.26,-1.42 5.46,-0.22 ; 4.26,-1.42 5.46,-0.22 ; 4.26,-1.42 5.46,-0.22 ; 4.26,-1.42 5.46,-0.22 ; 4.26,-1.42 5.46,-0.22 ; 4.26,-1.42 5.46,-0.22 ; 4.26,-1.42 5.46,-0.22 ; 4.26,-1.42 5.46,-0.22 ; 4.26,-1.42 5.46,-0.22 ; 4.26,-1.42 5.46,-0.22 ; 4.26,-1.42 5.46,-0.22 ; 4.26,-1.42 5.46,-0.22 ; 4.26,-1.42 5.46,-0.22 ; 4.26,-1.42 5.46,-0.22 ; 4.26,-1.42 5.46,-0.22 ; 4.26,-1.42 5.46,-0.22 ; 4.26,-1.42 5.46,-0.22 ; 4.26,-1.42 5.46,-0.22 ; 4.26,-1.42 5.46,-0.22 ; 4.26,-1.42 5.46,-0.22 ; 4.26,-1.42 5.46,-0.22 ; 4.26,-1.42 5.46,-0.22 ; 4.26,-1.42 5.46,-0.22 ; 4.26,-1.42 5.46,-0.22 ; 4.26,-1.42 5.46,-0.22 ; 4.26,-1.42 5.46,-0.22 ; 4.26,-1.42 5.46,-0.22 ; 4.26,-1.42 5.46,-0.22 ; 4.26,-1.42 5.46,-0.22 ; 4.26,-1.42 5.46,-0.22 ; 4.26,-1.42 5.46,-0.22 ; 4.26,-1.42 5.46,-0.22 ; 4.26,-1.42 5.46,-0.22 ; 4.26,-1.42 5.46,-0.22 ; 5.46,-0.22 J158.44 ; 5.46,-0.22 J158.44 ; 5.46,-0.22 J158.44 ; 5.46,-0.22 J158.44 ; 5.46,-0.22 J158.44 ; 5.46,-0.22 J158.44 ; 5.46,-0.22 J158.44 ; 5.46,-0.22 J158.44 ; 5.46,-0.22 J158.44 ; 5.46,-0.22 J158.44 ; 5.46,-0.22 J158.44 ; 5.46,-0.22 J158.44 ; 5.46,-0.22 J158.44 ; 5.46,-0.22 J158.44 ; 5.46,-0.22 J158.44 ; 5.46,-0.22 J158.44 ; 5.46,-0.22 J158.44 ; 5.46,-0.22 J158.44 ; 5.46,-0.22 J158.44 ; 5.46,-0.22 J158.44 ; 5.46,-0.22 J158.44 ; 5.46,-0.22 J158.44 ; 5.46,-0.22 J158.44 ; 5.46,-0.22 J158.44 ; 5.46,-0.22 J158.44 ; 5.46,-0.22 J158.44 ; 5.46,-0.22 J158.44 ; 5.46,-0.22 J158.44 ; 5.46,-0.22 J158.44 ; 5.46,-0.22 J158.44 ; 5.46,-0.22 J158.44 ; 5.46,-0.22 J158.44 ; 5.46,-0.22 J158.44 ; 5.46,-0.22 J158.44 ; 5.46,-0.22 J158.44 ; 5.46,-0.22 J158.44 ; 5.46,-0.22 J158.44 ; 5.46,-0.22 J158.44 ; 5.46,-0.22 J158.44 ; 5.46,-0.22 J158.44 ; 5.46,-0.22 J158.44 ; 5.46,-0.22 J158.44
  Bottom w0.1: v1(3.96,-1.42) 4.06,-1.33 ; v1(3.96,-1.42) 4.06,-1.33 ; v1(3.96,-1.42) 4.06,-1.33 ; v1(3.96,-1.42) 4.06,-1.33 ; v1(3.96,-1.42) 4.06,-1.33 ; v1(3.96,-1.42) 4.06,-1.33 ; v1(3.96,-1.42) 4.06,-1.33 ; v1(3.96,-1.42) 4.06,-1.33 ; v1(3.96,-1.42) 4.06,-1.33 ; v1(3.96,-1.42) 4.06,-1.33 ; v1(3.96,-1.42) 4.06,-1.33 ; v1(3.96,-1.42) 4.06,-1.33 ; v1(3.96,-1.42) 4.06,-1.33 ; v1(3.96,-1.42) 4.06,-1.33 ; v1(3.96,-1.42) 4.06,-1.33 ; v1(3.96,-1.42) 4.06,-1.33 ; v1(3.96,-1.42) 4.06,-1.33 ; v1(3.96,-1.42) 4.06,-1.33 ; v1(3.96,-1.42) 4.06,-1.33 ; v1(3.96,-1.42) 4.06,-1.33 ; v1(3.96,-1.42) 4.06,-1.33 ; v1(3.96,-1.42) 4.06,-1.33 ; v1(3.96,-1.42) 4.06,-1.33 ; v1(3.96,-1.42) 4.06,-1.33 ; v1(3.96,-1.42) 4.06,-1.33 ; v1(3.96,-1.42) 4.06,-1.33 ; v1(3.96,-1.42) 4.06,-1.33 ; v1(3.96,-1.42) 4.06,-1.33 ; v1(3.96,-1.42) 4.06,-1.33 ; v1(3.96,-1.42) 4.06,-1.33 ; v1(3.96,-1.42) 4.06,-1.33 ; v1(3.96,-1.42) 4.06,-1.33 ; v1(3.96,-1.42) 4.06,-1.33 ; v1(3.96,-1.42) 4.06,-1.33 ; v1(3.96,-1.42) 4.06,-1.33 ; v1(3.96,-1.42) 4.06,-1.33 ; v1(3.96,-1.42) 4.06,-1.33 ; v1(3.96,-1.42) 4.06,-1.33 ; v1(3.96,-1.42) 4.06,-1.33 ; v1(3.96,-1.42) 4.06,-1.33 ; v1(3.96,-1.42) 4.06,-1.33 ; v1(3.96,-1.42) 4.06,-1.33 ; 4.06,-1.33 4.06,-1.22 ; 4.06,-1.33 4.06,-1.22 ; 4.06,-1.33 4.06,-1.22 ; 4.06,-1.33 4.06,-1.22 ; 4.06,-1.33 4.06,-1.22 ; 4.06,-1.33 4.06,-1.22 ; 4.06,-1.33 4.06,-1.22 ; 4.06,-1.33 4.06,-1.22 ; 4.06,-1.33 4.06,-1.22 ; 4.06,-1.33 4.06,-1.22 ; 4.06,-1.33 4.06,-1.22 ; 4.06,-1.33 4.06,-1.22 ; 4.06,-1.33 4.06,-1.22 ; 4.06,-1.33 4.06,-1.22 ; 4.06,-1.33 4.06,-1.22 ; 4.06,-1.33 4.06,-1.22 ; 4.06,-1.33 4.06,-1.22 ; 4.06,-1.33 4.06,-1.22 ; 4.06,-1.33 4.06,-1.22 ; 4.06,-1.33 4.06,-1.22 ; 4.06,-1.33 4.06,-1.22 ; 4.06,-1.33 4.06,-1.22 ; 4.06,-1.33 4.06,-1.22 ; 4.06,-1.33 4.06,-1.22 ; 4.06,-1.33 4.06,-1.22 ; 4.06,-1.33 4.06,-1.22 ; 4.06,-1.33 4.06,-1.22 ; 4.06,-1.33 4.06,-1.22 ; 4.06,-1.33 4.06,-1.22 ; 4.06,-1.33 4.06,-1.22 ; 4.06,-1.33 4.06,-1.22 ; 4.06,-1.33 4.06,-1.22 ; 4.06,-1.33 4.06,-1.22 ; 4.06,-1.33 4.06,-1.22 ; 4.06,-1.33 4.06,-1.22 ; 4.06,-1.33 4.06,-1.22 ; 4.06,-1.33 4.06,-1.22 ; 4.06,-1.33 4.06,-1.22 ; 4.06,-1.33 4.06,-1.22 ; 4.06,-1.33 4.06,-1.22 ; 4.06,-1.33 4.06,-1.22 ; 4.06,-1.33 4.06,-1.22 ; 4.46,-0.82 J173.37 ; 4.46,-0.82 4.06,-1.22 ; 4.46,-0.82 J173.37 ; 4.46,-0.82 4.06,-1.22 ; 4.46,-0.82 J173.37 ; 4.46,-0.82 J173.37 ; 4.46,-0.82 4.06,-1.22 ; 4.46,-0.82 J173.37 ; 4.46,-0.82 J173.37 ; 4.46,-0.82 J173.37 ; 4.46,-0.82 J173.37 ; 4.46,-0.82 4.06,-1.22 ; 4.46,-0.82 J173.37 ; 4.46,-0.82 4.06,-1.22 ; 4.46,-0.82 4.06,-1.22 ; 4.46,-0.82 J173.37 ; 4.46,-0.82 J173.37 ; 4.46,-0.82 J173.37 ; 4.46,-0.82 4.06,-1.22 ; 4.46,-0.82 J173.37 ; 4.46,-0.82 J173.37 ; 4.46,-0.82 4.06,-1.22 ; 4.46,-0.82 4.06,-1.22 ; 4.46,-0.82 4.06,-1.22 ; 4.46,-0.82 4.06,-1.22 ; 4.46,-0.82 4.06,-1.22 ; 4.46,-0.82 4.06,-1.22 ; 4.46,-0.82 4.06,-1.22 ; 4.46,-0.82 J173.37 ; 4.46,-0.82 4.06,-1.22 ; 4.46,-0.82 J173.37 ; 4.46,-0.82 4.06,-1.22 ; 4.46,-0.82 4.06,-1.22 ; 4.46,-0.82 4.06,-1.22 ; 4.46,-0.82 4.06,-1.22 ; 4.46,-0.82 4.06,-1.22 ; 4.46,-0.82 J173.37 ; 4.46,-0.82 4.06,-1.22 ; 4.46,-0.82 4.06,-1.22 ; 4.46,-0.82 J173.37 ; 4.46,-0.82 4.06,-1.22 ; 4.46,-0.82 4.06,-1.22 ; 4.46,-0.82 4.06,-1.22 ; 4.46,-0.82 4.06,-1.22 ; 4.46,-0.82 J173.37 ; 4.46,-0.82 J173.37 ; 4.46,-0.82 J173.37 ; 4.46,-0.82 J173.37 ; 4.46,-0.82 J173.37 ; 4.46,-0.82 J173.37 ; 4.46,-0.82 J173.37 ; 4.46,-0.82 4.06,-1.22 ; 4.46,-0.82 J173.37 ; 4.46,-0.82 4.06,-1.22 ; 4.46,-0.82 J173.37 ; 4.46,-0.82 4.06,-1.22 ; 4.46,-0.82 J173.37 ; 4.46,-0.82 J173.37 ; 4.46,-0.82 J173.37 ; 4.46,-0.82 J173.37 ; 4.46,-0.82 4.06,-1.22 ; 4.46,-0.82 4.06,-1.22 ; 4.46,-0.82 4.06,-1.22 ; 4.46,-0.82 4.06,-1.22 ; 4.46,-0.82 J173.37 ; 4.46,-0.82 4.06,-1.22 ; 4.46,-0.82 4.06,-1.22 ; 4.46,-0.82 J173.37 ; 4.46,-0.82 J173.37 ; 4.46,-0.82 J173.37 ; 4.46,-0.82 4.06,-1.22 ; 4.46,-0.82 4.06,-1.22 ; 4.46,-0.82 4.06,-1.22 ; 4.46,-0.82 4.06,-1.22 ; 4.46,-0.82 J173.37 ; 4.46,-0.82 J173.37 ; 4.46,-0.82 J173.37 ; 4.46,-0.82 4.06,-1.22 ; 4.46,-0.82 4.06,-1.22 ; 4.46,-0.82 J173.37 ; 4.46,-0.82 J173.37 ; 4.46,-0.82 J173.37 ; 4.46,-0.82 4.06,-1.22 ; 4.46,-0.82 J173.37